# Altium PCB FMC_ADC_128CH_10B.PcbDoc (part 5 of 14) (continued)
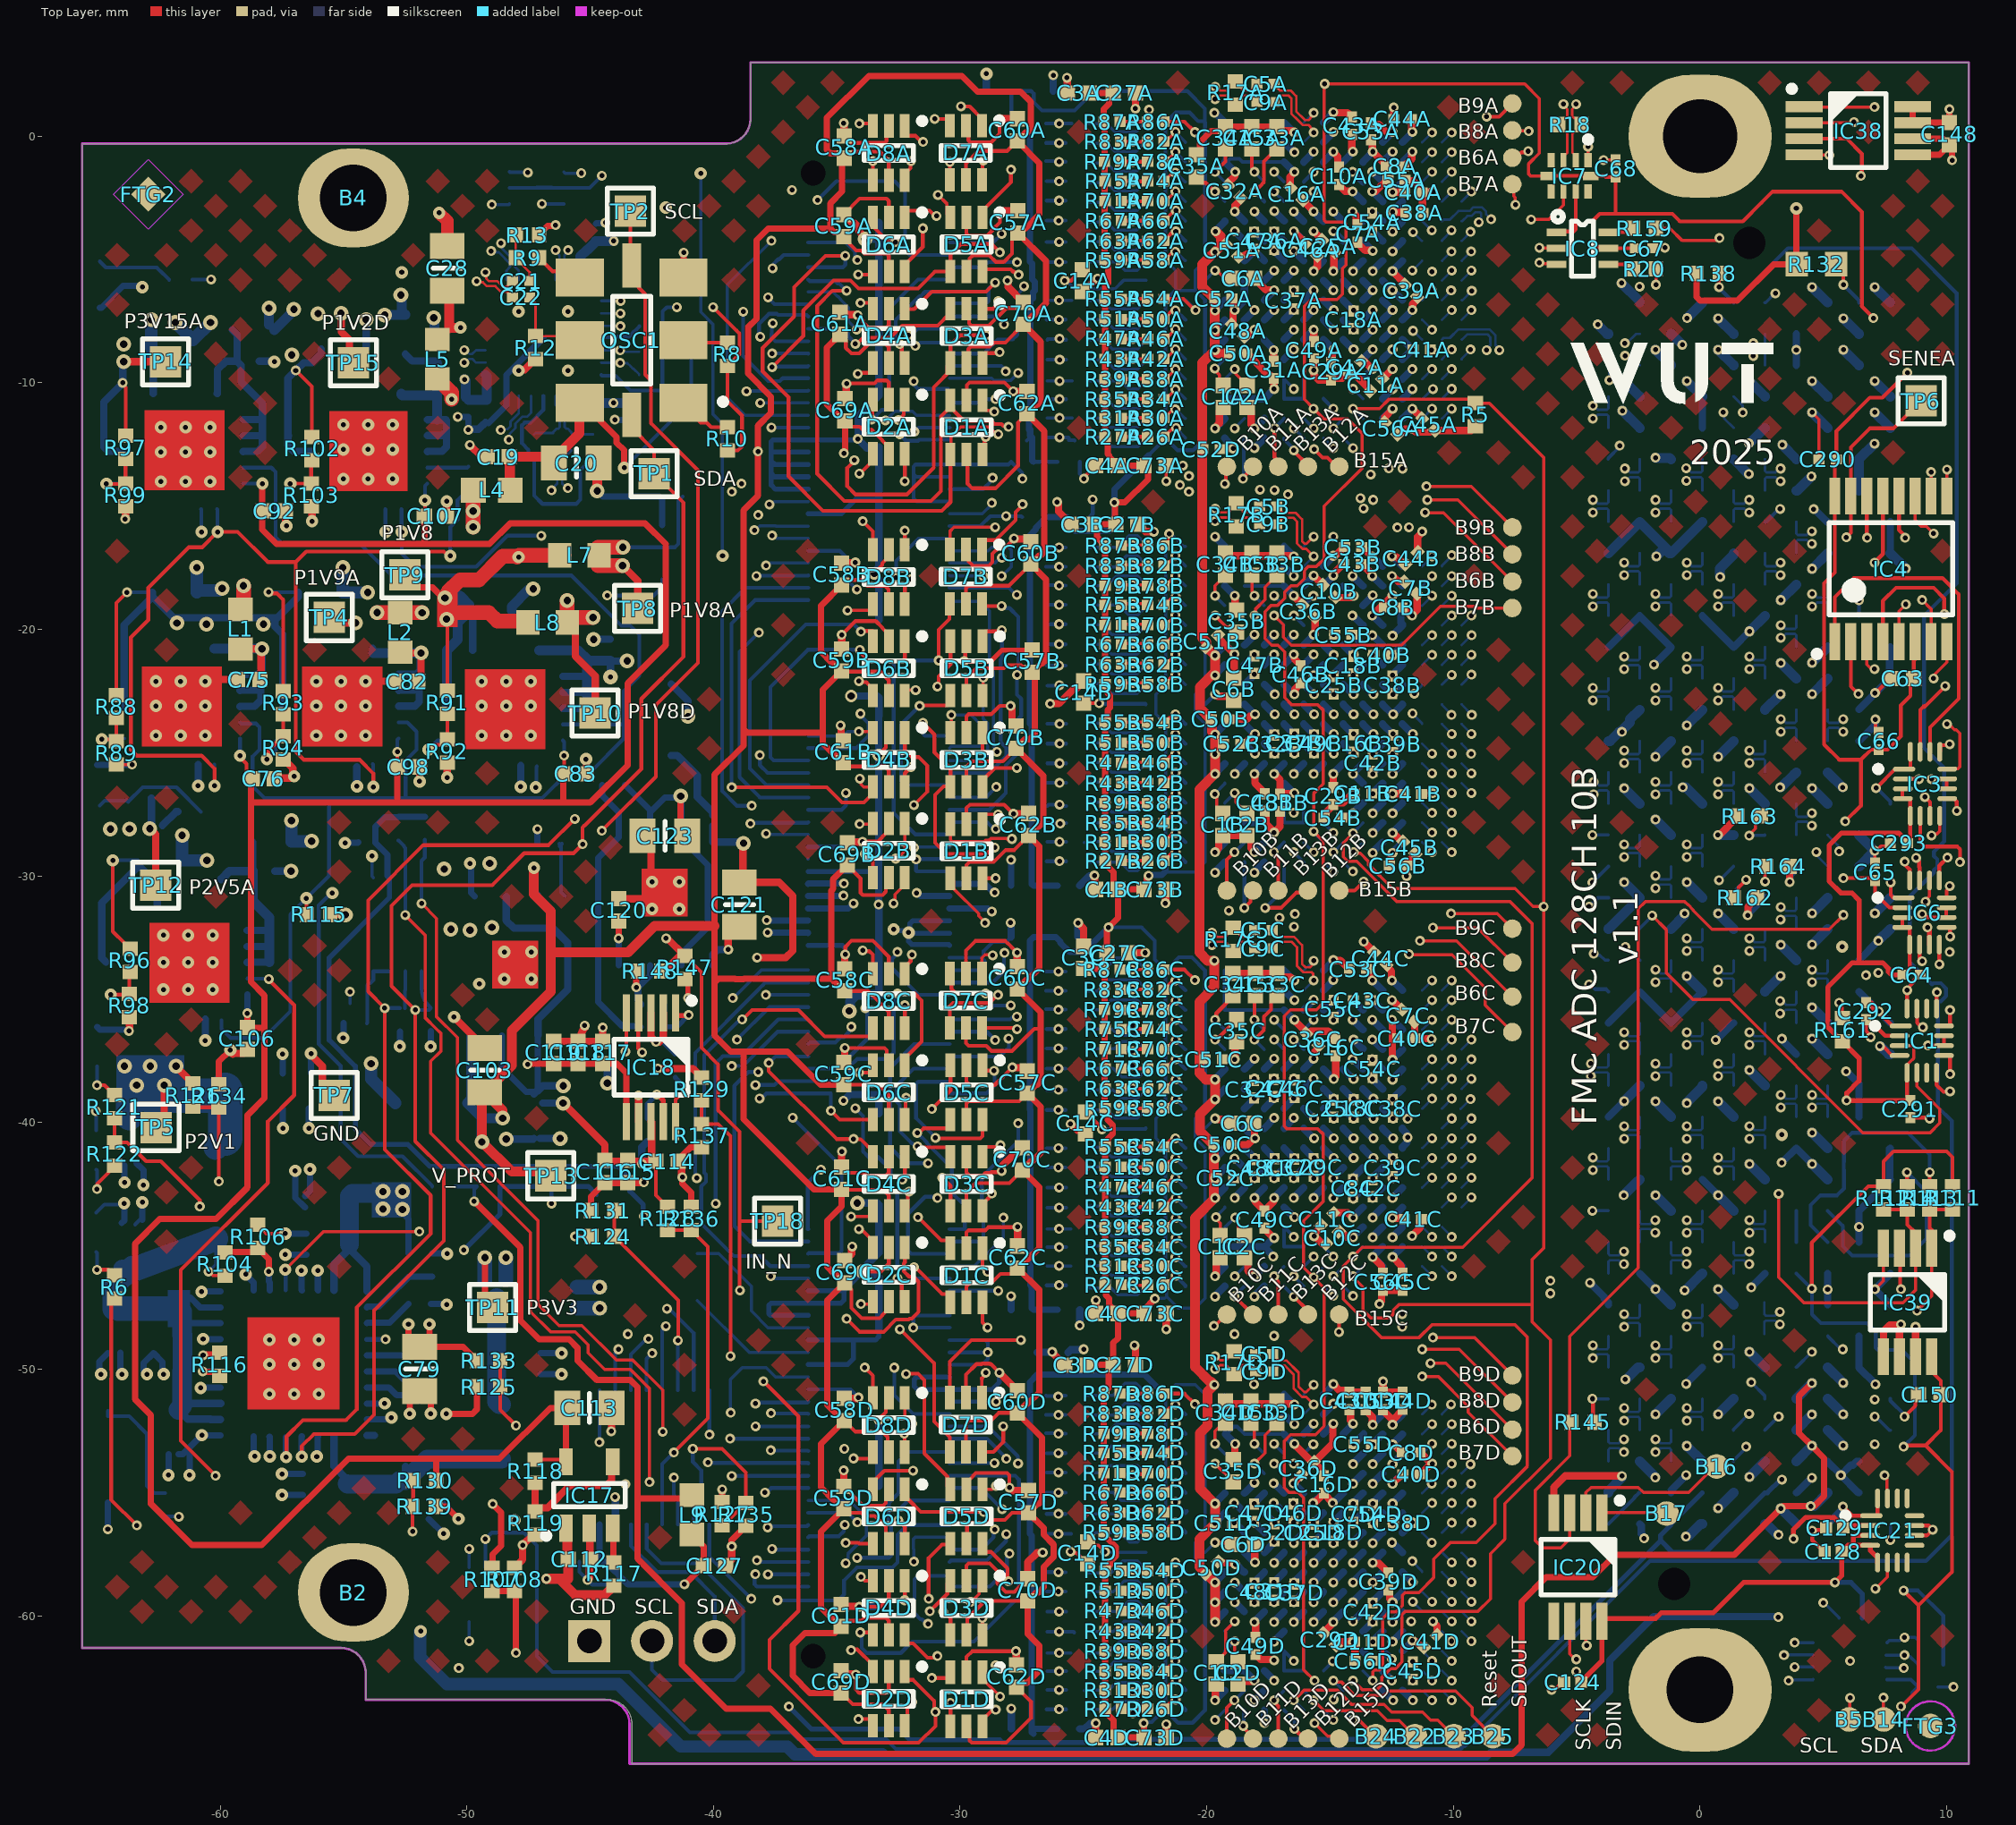
[diagram p0: Top Layer view]
## Nets (pads, with @x,y where several pads share a name; then routed paths per layer and width w, separated by ;. In a path a pad name is that pad's centre, name@x,y a point inside that pad or via, vN(x,y) a via of type N, cw(c..) or ccw(c..) an arc to the next point about the centre after c; other vN are vias at no path point) (continued)
  Bottom Layer w0.1: U1C.U8@-9.707,-39.444 v1(-9.307,-39.044) ; v1(3.27,-39.384) 3.324,-39.384 3.479,-39.229 3.762,-39.229 3.844,-39.229 3.903,-39.288 J6.d27@3.903,-39.764
DOUT8C_P: J6.d26 U1C.T8 | length 22.7
  Int3 (Sign) w0.091: v1(-10.067,-39.03) -10.027,-38.989 -9.747,-38.989 -9.332,-38.574 -8.917,-38.574 -8.411,-38.574 -8.156,-38.829 -8.156,-39.608 -8.036,-39.728 -7.796,-39.728 -7.676,-39.608 -7.676,-38.018 -7.422,-37.763 -6.991,-37.763 -6.736,-38.018 -6.736,-39.608 -6.616,-39.728 -6.376,-39.728 -6.256,-39.608 -6.256,-38.829 -6.002,-38.574 -5.799,-38.574 -5.668,-38.574 -3.206,-41.035 -2.612,-41.035 -1.138,-39.56 1.082,-39.56 1.628,-39.014 3.063,-39.014 3.132,-38.945 3.201,-38.945 3.27,-39.014 v1(3.27,-38.874)
  Bottom Layer w0.1: U1C.T8@-10.467,-39.43 v1(-10.067,-39.03) ; v1(3.27,-38.874) 3.324,-38.874 3.479,-39.029 3.679,-39.029 3.844,-39.029 3.903,-38.971 J6.d26@3.903,-38.494
DOUT8D_N: J6.k35 U1D.U8 | length 33.3
  Int6 (Sign) w0.091: v1(-9.267,-56.225) -9.267,-56.172 -9.101,-56.005 -8.502,-56.005 -7.808,-55.311 -7.196,-55.311 -7.014,-55.129 -7.014,-54.98 -7.014,-54.777 -7.269,-54.522 -8.577,-54.522 -8.697,-54.402 -8.697,-54.162 -8.577,-54.042 -6.645,-54.042 -6.391,-53.788 -6.391,-53.357 -6.645,-53.102 -9.152,-53.102 -9.272,-52.983 -9.272,-52.742 -9.152,-52.622 -5.226,-52.622 -4.971,-52.368 -4.971,-51.937 -5.226,-51.682 -9.152,-51.682 -9.272,-51.563 -9.272,-51.322 -9.152,-51.203 -4.969,-51.203 -4.714,-50.948 -4.714,-50.517 -4.969,-50.263 -6.894,-50.263 -7.014,-50.143 -7.014,-50.088 -7.014,-50.076 -6.919,-49.981 -6.342,-49.404 -4.557,-49.404 -4.417,-49.544 v1(-4.35,-49.544)
  Bottom Layer w0.1: U1D.U8@-9.667,-56.625 v1(-9.267,-56.225) ; v1(-4.35,-49.544) -4.296,-49.544 -4.141,-49.389 -3.858,-49.389 -3.776,-49.389 -3.717,-49.448 J6.k35@-3.717,-49.924
DOUT8D_P: J6.k34 U1D.T8 | length 34.2
  Int6 (Sign) w0.091: v1(-10.067,-56.225) -10.013,-56.171 -9.756,-56.171 -9.36,-55.775 -8.598,-55.775 -7.903,-55.081 -7.291,-55.081 -7.244,-55.034 -7.244,-54.98 -7.244,-54.872 -7.364,-54.752 -8.673,-54.752 -8.927,-54.498 -8.927,-54.067 -8.673,-53.812 -6.741,-53.812 -6.621,-53.692 -6.621,-53.452 -6.741,-53.332 -9.247,-53.332 -9.502,-53.078 -9.502,-52.647 -9.247,-52.392 -5.321,-52.392 -5.201,-52.273 -5.201,-52.032 -5.321,-51.912 -9.247,-51.912 -9.502,-51.658 -9.502,-51.227 -9.247,-50.972 -5.064,-50.972 -4.944,-50.853 -4.944,-50.612 -5.064,-50.493 -6.989,-50.493 -7.244,-50.238 -7.244,-50.088 -7.244,-49.981 -6.438,-49.174 -4.557,-49.174 -4.417,-49.034 v1(-4.35,-49.034)
  Bottom Layer w0.1: U1D.T8@-10.467,-56.625 v1(-10.067,-56.225) ; v1(-4.35,-49.034) -4.296,-49.034 -4.141,-49.189 -3.941,-49.189 -3.776,-49.189 -3.717,-49.131 J6.k34@-3.717,-48.654
DOUT9A_N: J6.k11 U1A.U7 | length 26.4
  Int6 (Sign) w0.091: v1(-9.31,-3.875) -9.374,-3.875 -9.579,-3.669 -9.579,-3.603 -8.074,-2.098 -7.056,-2.098 -5.923,-3.23 -5.923,-10.986 -3.644,-13.265 -3.644,-14.226 -3.644,-14.428 -3.34,-14.733 -2.788,-14.733 -2.618,-14.903 -2.618,-15.243 -2.788,-15.413 -3.34,-15.413 -3.644,-15.718 -3.644,-16.444 -3.644,-16.534 -3.661,-16.551 -5.134,-18.024 -5.134,-18.743 -4.953,-18.924 -4.557,-18.924 -4.417,-19.064 v1(-4.35,-19.064)
  Bottom Layer w0.1: U1A.U7@-9.667,-4.245 -9.31,-3.888 v1(-9.31,-3.875) ; v1(-4.35,-19.064) -4.296,-19.064 -4.141,-18.909 -3.858,-18.909 -3.776,-18.909 -3.717,-18.968 J6.k11@-3.717,-19.444
DOUT9A_P: J6.k10 U1A.T7 | length 26.8
  Int6 (Sign) w0.091: v1(-10.079,-3.813) -9.992,-3.813 -9.895,-3.716 -9.856,-3.716 -9.809,-3.669 -9.809,-3.508 -8.169,-1.868 -6.961,-1.868 -5.693,-3.135 -5.693,-10.89 -3.414,-13.169 -3.414,-14.226 -3.414,-14.333 -3.244,-14.503 -2.693,-14.503 -2.388,-14.808 -2.388,-15.338 -2.693,-15.643 -3.244,-15.643 -3.414,-15.813 -3.414,-16.444 -3.414,-16.551 -3.414,-16.629 -4.904,-18.119 -4.904,-18.647 -4.858,-18.694 -4.557,-18.694 -4.417,-18.554 v1(-4.35,-18.554)
  Bottom Layer w0.1: U1A.T7@-10.467,-4.245 -10.467,-4.223 -10.079,-3.835 v1(-10.079,-3.813) ; v1(-4.35,-18.554) -4.296,-18.554 -4.141,-18.709 -3.941,-18.709 -3.776,-18.709 -3.717,-18.651 J6.k10@-3.717,-18.174
DOUT9B_N: J6.h17 U1B.U7 | length 33.3
  Int3 (Sign) w0.091: v1(-9.267,-21.024) -9.267,-20.985 -9.094,-20.811 -8.716,-20.811 -8.559,-20.969 -8.526,-21.001 -8.28,-21.248 cw(c-8.403,-21.371) -8.28,-21.495 ; -8.28,-21.495 ccw(c-8.157,-21.619) -8.28,-21.742 ccw(c-8.157,-21.619) -8.033,-21.742 ; -8.033,-21.741 cw(c-7.909,-21.865) -7.786,-21.741 -7.618,-21.909 -7.586,-21.941 -7.345,-22.182 -5.331,-22.182 -5.275,-22.238 -5.275,-22.603 -5.334,-22.662 -7.24,-22.662 -7.469,-22.891 -7.469,-23.352 -7.219,-23.602 -4.413,-23.602 -4.289,-23.727 -4.289,-24.014 -4.358,-24.082 -7.228,-24.082 -7.483,-24.337 -7.483,-24.816 -7.276,-25.022 -4.441,-25.022 -4.316,-25.147 -4.316,-25.342 -4.466,-25.491 -7.148,-25.491 -7.148,-25.502 -7.403,-25.757 -7.403,-26.238 -7.406,-26.241 -7.406,-27.228 -7.224,-27.41 -6.618,-27.41 -6.41,-27.41 -6.088,-27.088 -6.088,-26.547 -5.9,-26.359 -5.526,-26.359 -5.339,-26.547 -5.339,-27.088 -5.017,-27.41 -4.379,-27.41 -3.231,-27.41 -2.366,-26.544 -2.017,-26.544 -1.877,-26.684 v1(-1.81,-26.684)
  Bottom Layer w0.1: U1B.U7@-9.667,-21.434 -9.667,-21.429 -9.267,-21.029 v1(-9.267,-21.024) ; v1(-1.81,-26.684) -1.756,-26.684 -1.601,-26.529 -1.318,-26.529 -1.236,-26.529 -1.177,-26.588 J6.h17@-1.177,-27.064
DOUT9B_P: J6.h16 U1B.T7 | length 33.8
  Int1 (Sign) w0.091: v1(-10.067,-21.034) v1@-10.052,-21.019
  Int3 (Sign) w0.091: v1(-10.067,-21.034) -10.013,-20.979 -9.753,-20.979 -9.355,-20.581 -9.205,-20.581 -9.194,-20.57 -8.616,-20.57 -7.245,-21.941 -5.231,-21.941 -5.034,-22.139 -5.034,-22.703 -5.234,-22.903 -7.141,-22.903 -7.228,-22.991 -7.228,-23.253 -7.119,-23.361 -4.314,-23.361 -4.048,-23.627 -4.048,-24.114 -4.258,-24.323 -7.128,-24.323 -7.242,-24.437 -7.242,-24.716 -7.176,-24.781 -4.341,-24.781 -4.075,-25.048 -4.075,-25.442 -4.366,-25.732 -7.038,-25.732 -7.045,-25.74 ; -7.053,-25.732 -7.173,-25.852 -7.173,-26.238 -7.17,-26.241 -7.17,-27.138 -7.129,-27.18 -6.618,-27.18 -6.505,-27.18 -6.318,-26.992 -6.318,-26.451 -5.996,-26.13 -5.431,-26.13 -5.109,-26.451 -5.109,-26.992 -4.921,-27.18 -4.379,-27.18 -3.327,-27.18 -2.462,-26.314 -2.017,-26.314 -1.877,-26.174 v1(-1.81,-26.174)
  Bottom Layer w0.1: U1B.T7@-10.467,-21.434 v1(-10.067,-21.034) ; v1(-1.81,-26.174) -1.756,-26.174 -1.601,-26.329 -1.401,-26.329 -1.236,-26.329 -1.177,-26.271 J6.h16@-1.177,-25.794
DOUT9C_N: J6.c27 U1C.U7 | length 22
  Int3 (Sign) w0.091: v1(-9.27,-38.224) -9.27,-38.182 -9.098,-38.01 -8.432,-38.01 -7.938,-37.516 -6.024,-37.516 -4.803,-38.736 -4.19,-38.736 -3.987,-38.736 -3.733,-38.482 -3.733,-37.544 -3.613,-37.424 -3.373,-37.424 -3.253,-37.544 -3.253,-38.482 -2.998,-38.736 -2.397,-38.736 -1.538,-38.736 -1.335,-38.736 -1.08,-38.482 -1.08,-37.544 -0.96,-37.424 -0.72,-37.424 -0.6,-37.544 -0.6,-38.482 -0.345,-38.736 0.323,-38.736 2.211,-38.736 3.04,-37.907 3.185,-37.907 3.927,-38.649 3.927,-39.038 4.133,-39.244 4.333,-39.244 4.473,-39.384 v1(4.54,-39.384)
  Int4 (Sign) w0.091: v1@4.473,-39.384 v1(4.54,-39.384)
  Bottom Layer w0.1: U1C.U7@-9.667,-38.63 -9.667,-38.626 -9.27,-38.228 v1(-9.27,-38.224) ; v1(4.54,-39.384) 4.594,-39.384 4.749,-39.229 5.032,-39.229 5.114,-39.229 5.173,-39.288 J6.c27@5.173,-39.764
DOUT9C_P: J6.c26 U1C.T7 | length 22.9
  Int3 (Sign) w0.091: v1(-10.067,-38.23) -10.012,-38.174 -9.753,-38.174 -9.359,-37.78 -8.527,-37.78 -8.033,-37.286 -5.928,-37.286 -4.708,-38.506 -4.19,-38.506 -4.083,-38.506 -3.963,-38.386 -3.963,-37.449 -3.708,-37.194 -3.277,-37.194 -3.023,-37.449 -3.023,-38.386 -2.903,-38.506 -2.397,-38.506 -1.538,-38.506 -1.43,-38.506 -1.31,-38.386 -1.31,-37.449 -1.055,-37.194 -0.625,-37.194 -0.37,-37.449 -0.37,-38.386 -0.25,-38.506 0.323,-38.506 2.116,-38.506 2.945,-37.677 3.28,-37.677 4.157,-38.554 4.157,-38.943 4.228,-39.014 4.333,-39.014 4.473,-38.874 v1(4.54,-38.874)
  Int4 (Sign) w0.091: v1@4.473,-38.874 v1(4.54,-38.874)
  Bottom Layer w0.1: U1C.T7@-10.467,-38.63 v1(-10.067,-38.23) ; v1(4.54,-38.874) 4.594,-38.874 4.749,-39.029 4.949,-39.029 5.114,-39.029 5.173,-38.971 J6.c26@5.173,-38.494
DOUT9D_N: J6.k32 U1D.U7 | length 31
  Int4 (Sign) w0.091: v1(-9.267,-55.425) -9.267,-55.392 -9.091,-55.216 -8.244,-55.216 -8.042,-55.216 -7.787,-54.961 -7.787,-54.33 -7.667,-54.21 -7.427,-54.21 -7.307,-54.33 -7.307,-57.626 -7.052,-57.881 -6.622,-57.881 -6.367,-57.626 -6.367,-53.633 -6.247,-53.513 -6.007,-53.513 -5.887,-53.633 -5.887,-57.092 -5.632,-57.346 -5.202,-57.346 -4.947,-57.092 -4.947,-55.335 -4.827,-55.216 -4.595,-55.216 -4.493,-55.216 -3.532,-54.254 -3.532,-45.687 -3.439,-45.594 -3.291,-45.594 -3.151,-45.734 v1(-3.084,-45.734)
  Bottom Layer w0.1: U1D.U7@-9.667,-55.825 v1(-9.267,-55.425) ; J6.k32@-3.717,-46.114 -3.717,-45.638 -3.658,-45.579 -3.493,-45.579 -3.293,-45.579 -3.138,-45.734 v1(-3.084,-45.734)
DOUT9D_P: J6.k31 U1D.T7 | length 31.9
  Int4 (Sign) w0.091: v1(-10.067,-55.425) -10.014,-55.373 -9.747,-55.373 -9.36,-54.986 -8.244,-54.986 -8.137,-54.986 -8.017,-54.866 -8.017,-54.235 -7.762,-53.98 -7.332,-53.98 -7.077,-54.235 -7.077,-57.531 -6.957,-57.651 -6.717,-57.651 -6.597,-57.531 -6.597,-53.537 -6.342,-53.283 -5.912,-53.283 -5.657,-53.537 -5.657,-56.996 -5.537,-57.116 -5.297,-57.116 -5.177,-56.996 -5.177,-55.24 -4.922,-54.986 -4.595,-54.986 -4.589,-54.986 -3.762,-54.159 -3.762,-45.591 -3.535,-45.364 -3.291,-45.364 -3.151,-45.224 v1(-3.084,-45.224)
  Bottom Layer w0.1: U1D.T7@-10.467,-55.825 v1(-10.067,-55.425) ; J6.k31@-3.717,-44.844 -3.717,-45.321 -3.658,-45.379 -3.576,-45.379 -3.293,-45.379 -3.138,-45.224 v1(-3.084,-45.224)
DOUT10A_N: J6.f11 U1A.R6 | length 25.8
  Int3 (Sign) w0.091: v1(-10.877,-3.815) -10.91,-3.815 -11.144,-3.581 -11.144,-3.337 -10.827,-3.019 -8.326,-3.019 -7.176,-4.169 -7.176,-5.761 -3.459,-9.478 -2.459,-9.478 -2.173,-9.764 -2.173,-12.057 -1.171,-13.059 -1.171,-15.058 -0.19,-16.039 -0.19,-18.412 0.323,-18.924 0.523,-18.924 0.663,-19.064 v1(0.73,-19.064)
  Bottom Layer w0.1: U1A.R6@-11.267,-3.445 -11.257,-3.445 -10.888,-3.815 v1(-10.877,-3.815) ; v1(0.73,-19.064) 0.784,-19.064 0.939,-18.909 1.222,-18.909 1.304,-18.909 1.363,-18.968 J6.f11@1.363,-19.444
DOUT10A_P: J6.f10 U1A.R7 | length 26.2
  Int3 (Sign) w0.091: v1(-11.642,-3.881) -11.642,-3.848 -11.374,-3.581 -11.374,-3.241 -10.922,-2.789 -8.231,-2.789 -6.946,-4.074 -6.946,-5.666 -3.364,-9.248 -2.364,-9.248 -1.943,-9.669 -1.943,-11.962 -0.941,-12.964 -0.941,-14.963 0.04,-15.944 0.04,-18.317 0.418,-18.694 0.523,-18.694 0.663,-18.554 v1(0.73,-18.554)
  Bottom Layer w0.1: v1(-11.642,-3.881) -11.637,-3.881 -11.272,-4.245 U1A.R7@-11.267,-4.245 ; v1(0.73,-18.554) 0.784,-18.554 0.939,-18.709 1.139,-18.709 1.304,-18.709 1.363,-18.651 J6.f10@1.363,-18.174
DOUT10B_N: J6.d18 U1B.R6 | length 33.9
  Int3 (Sign) w0.091: v1@-10.867,-20.32 v1(-10.867,-20.234) -11.152,-20.519 -11.717,-20.519 -11.908,-20.709 -11.908,-21.932 -11.59,-22.25 -11.435,-22.25 -11.265,-22.42 -8.402,-22.42 -8.06,-22.761 -8.06,-27.484 -7.581,-27.964 -2.561,-27.964 -2.074,-27.476 -1.944,-27.347 -1.523,-27.347 -1.136,-27.734 -1.136,-28.11 -0.881,-28.364 -0.451,-28.364 -0.196,-28.11 -0.196,-27.245 -0.076,-27.125 0.164,-27.125 0.284,-27.245 0.284,-27.73 0.539,-27.984 0.969,-27.984 1.224,-27.73 1.224,-27.198 1.344,-27.078 1.584,-27.078 1.704,-27.198 1.704,-27.754 1.959,-28.009 2.389,-28.009 2.644,-27.754 2.644,-27.102 2.764,-26.982 3.004,-26.982 3.124,-27.102 3.124,-28.946 3.338,-29.161 3.784,-29.161 4.04,-28.905 4.04,-28.891 4.064,-28.867 4.064,-27.934 4.184,-27.814 4.304,-27.814 4.329,-27.814 4.469,-27.954 v1(4.536,-27.954)
  Bottom Layer w0.1: U1B.R6@-11.267,-20.634 v1(-10.867,-20.234) ; J6.d18@3.903,-28.334 3.903,-27.858 3.962,-27.799 4.127,-27.799 4.327,-27.799 4.482,-27.954 v1(4.536,-27.954)
DOUT10B_P: J6.d17 U1B.R7 | length 33
  Int3 (Sign) w0.091: v1(-10.867,-21.034) -11.141,-20.76 -11.618,-20.76 -11.667,-20.809 -11.667,-21.832 -11.49,-22.009 -11.335,-22.009 -11.165,-22.179 -8.302,-22.179 -8.299,-22.182 ; -8.306,-22.19 -8.299,-22.182 ; v1(4.536,-27.444) 4.469,-27.444 4.34,-27.573 4.205,-27.573 4.084,-27.573 3.799,-27.859 3.799,-28.805 3.684,-28.92 3.465,-28.92 3.365,-28.82 3.365,-27.002 3.104,-26.741 2.664,-26.741 2.403,-27.002 2.403,-27.655 2.289,-27.768 2.058,-27.768 1.945,-27.655 1.945,-27.099 1.684,-26.837 1.244,-26.837 0.983,-27.099 0.983,-27.63 0.869,-27.743 0.638,-27.743 0.525,-27.63 0.525,-27.146 0.264,-26.884 -0.176,-26.884 -0.437,-27.146 -0.437,-28.01 -0.551,-28.123 -0.782,-28.123 -0.895,-28.01 -0.895,-27.634 -1.423,-27.106 -2.044,-27.106 -2.315,-27.377 -2.661,-27.723 -7.481,-27.723 -7.819,-27.385 -7.819,-22.662 -8.299,-22.182
  Bottom Layer w0.1: U1B.R7@-11.267,-21.434 v1(-10.867,-21.034) ; J6.d17@3.903,-27.064 3.903,-27.541 3.962,-27.599 4.044,-27.599 4.327,-27.599 4.482,-27.444 v1(4.536,-27.444)
DOUT10C_N: J6.g25 U1C.R6 | length 24.4
  Int1 (Sign) w0.091: v1(-10.867,-37.43) -11.152,-37.715 -11.323,-37.715 -11.505,-37.896 -11.505,-42.456 -10.351,-43.61 -8.869,-43.61 -7.612,-42.352 -7.612,-38.67 -4.869,-35.928 -2.725,-35.928 -1.948,-36.704 -0.747,-36.704 -0.607,-36.844 v1(-0.54,-36.844)
  Int3 (Sign) w0.091: v1@-0.607,-36.844 v1(-0.54,-36.844)
  Bottom Layer w0.1: U1C.R6@-11.267,-37.83 v1(-10.867,-37.43) ; v1(-0.54,-36.844) -0.486,-36.844 -0.331,-36.689 -0.048,-36.689 0.034,-36.689 0.093,-36.748 J6.g25@0.093,-37.224
DOUT10C_P: J6.g24 U1C.R7 | length 23.6
  Int1 (Sign) w0.091: v1(-10.867,-38.23) -11.152,-37.945 -11.228,-37.945 -11.275,-37.992 -11.275,-42.361 -10.256,-43.38 -8.964,-43.38 -7.842,-42.257 -7.842,-38.575 -4.964,-35.698 -2.63,-35.698 -1.853,-36.474 -0.747,-36.474 -0.607,-36.334 v1(-0.54,-36.334)
  Int3 (Sign) w0.091: v1@-0.607,-36.334 v1(-0.54,-36.334)
  Bottom Layer w0.1: U1C.R7@-11.267,-38.63 v1(-10.867,-38.23) ; v1(-0.54,-36.334) -0.486,-36.334 -0.331,-36.489 -0.131,-36.489 0.034,-36.489 0.093,-36.431 J6.g24@0.093,-35.954
DOUT10D_N: J6.e22 U1D.R6 | length 33.7
  Int4 (Sign) w0.091: v1(-10.877,-54.636) -10.877,-54.656 -11.137,-54.916 -11.353,-54.916 -11.4,-54.869 -11.4,-51.459 -10.153,-50.212 -10.153,-47.418 -8.204,-45.469 -8.204,-37.253 -4.817,-33.866 -2.975,-33.866 -2.404,-33.295 -1.413,-33.295 -1.094,-33.614 -0.091,-33.614 0.629,-32.894 1.793,-32.894 1.933,-33.034 v1(2,-33.034)
  Bottom Layer w0.1: U1D.R6@-11.267,-55.025 v1(-10.877,-54.636) ; v1(2,-33.034) 2.054,-33.034 2.209,-32.879 2.492,-32.879 2.574,-32.879 2.633,-32.938 J6.e22@2.633,-33.414
DOUT10D_P: J6.e21 U1D.R7 | length 34.5
  Int4 (Sign) w0.091: v1(-10.867,-55.425) -10.867,-55.415 -11.137,-55.146 -11.448,-55.146 -11.63,-54.964 -11.63,-51.363 -10.383,-50.117 -10.383,-47.323 -8.434,-45.374 -8.434,-37.158 -4.912,-33.636 -3.07,-33.636 -2.499,-33.065 -1.318,-33.065 -0.998,-33.384 -0.186,-33.384 0.534,-32.664 1.793,-32.664 1.933,-32.524 v1(2,-32.524)
  Bottom Layer w0.1: U1D.R7@-11.267,-55.825 v1(-10.867,-55.425) ; v1(2,-32.524) 2.054,-32.524 2.209,-32.679 2.409,-32.679 2.574,-32.679 2.633,-32.621 J6.e21@2.633,-32.144
DOUT11A_N: J6.k8 U1A.U6 | length 26.3
  Int6 (Sign) w0.091: v1(-8.967,-3.486) -8.967,-3.56 -8.834,-3.693 -8.834,-3.784 -8.652,-3.965 -7.515,-3.965 -7.092,-4.388 -7.092,-5.72 -6.644,-6.168 -6.644,-13.103 -6.644,-13.306 -6.389,-13.561 -5.542,-13.561 -5.422,-13.681 -5.422,-13.921 -5.542,-14.041 -6.625,-14.041 -6.88,-14.296 -6.88,-14.726 -6.625,-14.981 -5.733,-14.981 -5.613,-15.101 -5.613,-15.341 -5.733,-15.461 -6.389,-15.461 -6.644,-15.716 -6.644,-15.992 -6.644,-17.252 -6.462,-17.434 -5.477,-17.434 -4.763,-16.719 -4.763,-15.173 -4.705,-15.114 -4.557,-15.114 -4.417,-15.254 v1(-4.35,-15.254)
  Bottom Layer w0.1: U1A.U6@-9.667,-3.445 -9.65,-3.445 -9.435,-3.23 -9.26,-3.23 -9.107,-3.078 -8.931,-3.078 -8.872,-3.136 -8.872,-3.31 -8.967,-3.405 v1(-8.967,-3.486) ; v1(-4.35,-15.254) -4.296,-15.254 -4.141,-15.099 -3.858,-15.099 -3.776,-15.099 -3.717,-15.158 J6.k8@-3.717,-15.634
DOUT11A_P: J6.k7 U1A.T6 | length 27.2
  Int6 (Sign) w0.091: v1(-8.471,-3.369) -8.471,-3.443 -8.604,-3.576 -8.604,-3.688 -8.557,-3.735 -7.42,-3.735 -6.862,-4.293 -6.862,-5.624 -6.414,-6.073 -6.414,-13.103 -6.414,-13.211 -6.294,-13.331 -5.446,-13.331 -5.192,-13.586 -5.192,-14.016 -5.446,-14.271 -6.53,-14.271 -6.65,-14.391 -6.65,-14.631 -6.53,-14.751 -5.638,-14.751 -5.383,-15.006 -5.383,-15.436 -5.638,-15.691 -6.294,-15.691 -6.414,-15.811 -6.414,-15.992 -6.414,-17.157 -6.367,-17.204 -5.573,-17.204 -4.993,-16.624 -4.993,-15.077 -4.8,-14.884 -4.557,-14.884 -4.417,-14.744 v1(-4.35,-14.744)
  Bottom Layer w0.1: U1A.T6@-10.467,-3.445 -10.4,-3.378 -10.145,-3.378 -9.797,-3.03 -9.343,-3.03 -9.19,-2.878 -8.848,-2.878 -8.672,-3.053 -8.672,-3.16 -8.471,-3.362 v1(-8.471,-3.369) ; v1(-4.35,-14.744) -4.296,-14.744 -4.141,-14.899 -3.941,-14.899 -3.776,-14.899 -3.717,-14.841 J6.k7@-3.717,-14.364
DOUT11B_N: J6.g16 U1B.U6 | length 33.4
  Int3 (Sign) w0.091: v1@-9.203,-20.293 v1(-9.265,-20.231) -9.265,-20.183 -9.124,-20.042 -9.109,-20.042 -9.091,-20.025 -9.022,-20.025 -8.676,-19.679 -8.676,-19.07 -8.969,-18.777 -9.317,-18.429 -9.317,-16.755 -9.739,-16.334 -10.598,-16.334 -10.671,-16.261 -10.671,-15.616 -10.397,-15.342 -10.11,-15.342 -8.698,-16.754 -8.698,-17.005 -7.359,-18.345 -7.15,-18.553 -6.836,-18.867 -6.835,-19.029 -8.012,-20.228 -8.082,-20.298 -8.082,-20.498 -8.081,-20.499 -8.081,-20.569 -8.081,-20.652 -7.756,-20.977 -7.568,-20.977 -7.568,-20.976 -7.497,-20.975 -7.399,-20.975 -7.258,-20.834 -7.258,-20.833 -5.754,-19.301 -5.594,-19.3 -5.429,-19.462 -5.427,-19.622 -6.675,-20.893 -6.745,-20.963 -6.745,-21.163 -6.744,-21.164 -6.744,-21.234 -6.744,-21.332 -6.602,-21.474 -6.601,-21.474 -6.501,-21.572 -6.431,-21.642 -6.231,-21.642 -6.231,-21.641 -6.16,-21.64 -6.062,-21.64 -5.921,-21.499 -5.921,-21.498 -5.151,-20.714 -4.991,-20.712 -4.924,-20.779 -4.849,-20.854 -4.749,-20.954 -4.749,-21.032 -4.749,-21.227 -4.749,-21.232 -3.711,-22.27 -3.711,-23.889 -3.741,-23.919 -3.741,-24.396 -3.711,-24.426 -3.711,-25.771 -3.44,-26.042 -3.436,-26.042 -3.241,-26.042 -2.35,-26.042 -2.064,-25.755 -1.512,-25.755 -1.042,-25.285 -0.736,-25.285 -0.607,-25.414 v1(-0.54,-25.414)
  Bottom Layer w0.1: U1B.U6@-9.667,-20.634 v1(-9.265,-20.231) ; v1(-0.54,-25.414) -0.486,-25.414 -0.331,-25.259 -0.048,-25.259 0.034,-25.259 0.093,-25.318 J6.g16@0.093,-25.794
DOUT11B_P: J6.g15 U1B.T6 | length 34.2
  Int3 (Sign) w0.091: v1(-10.065,-20.231) -10.004,-20.171 -9.745,-20.171 -9.375,-19.801 -9.208,-19.801 -9.191,-19.784 -9.122,-19.784 -8.917,-19.579 -8.917,-19.17 -9.069,-19.018 -9.558,-18.529 -9.558,-16.855 -9.839,-16.575 -10.698,-16.575 -10.912,-16.361 -10.912,-15.516 -10.497,-15.101 -10.01,-15.101 -8.457,-16.654 -8.457,-16.906 -7.118,-18.245 -7.041,-18.322 -6.909,-18.453 -6.596,-18.767 -6.593,-19.079 -6.593,-19.127 -7.841,-20.398 -7.84,-20.552 -7.656,-20.736 -7.499,-20.734 -5.889,-19.095 -5.856,-19.061 -5.543,-19.058 -5.496,-19.058 -5.223,-19.327 -5.189,-19.36 -5.186,-19.673 -5.186,-19.72 -6.504,-21.063 -6.503,-21.233 -6.331,-21.401 -6.162,-21.399 -5.286,-20.508 -5.252,-20.474 -4.94,-20.471 -4.901,-20.471 -4.864,-20.499 -4.824,-20.538 -4.749,-20.613 -4.508,-20.854 -4.508,-21.132 -3.47,-22.171 -3.47,-23.989 -3.5,-24.018 -3.5,-24.296 -3.47,-24.326 -3.47,-25.671 -3.34,-25.801 -2.45,-25.801 -2.163,-25.514 -1.612,-25.514 -1.142,-25.044 -0.747,-25.044 -0.607,-24.904 v1(-0.54,-24.904)
  Bottom Layer w0.1: U1B.T6@-10.467,-20.634 v1(-10.065,-20.231) ; v1(-0.54,-24.904) -0.486,-24.904 -0.331,-25.059 -0.131,-25.059 0.034,-25.059 0.093,-25.001 J6.g15@0.093,-24.524
DOUT11C_N: J6.h26 U1C.U6 | length 24.9
  Int4 (Sign) w0.091: v1(-9.267,-37.43) -9.267,-37.376 -9.101,-37.21 -9.022,-37.21 -3.994,-32.181 -0.692,-32.181 -0.685,-32.174 2.145,-32.174 2.372,-32.401 2.372,-33.287 -0.096,-35.754 -1.588,-35.754 -2.543,-36.709 -2.543,-37.793 -2.362,-37.974 -2.017,-37.974 -1.877,-38.114 v1(-1.81,-38.114)
  Bottom Layer w0.1: U1C.U6@-9.667,-37.83 v1(-9.267,-37.43) ; v1(-1.81,-38.114) -1.756,-38.114 -1.601,-37.959 -1.318,-37.959 -1.236,-37.959 -1.177,-38.018 J6.h26@-1.177,-38.494
DOUT11C_P: J6.h25 U1C.T6 | length 25.7
  Int4 (Sign) w0.091: v1(-10.067,-37.43) -10.013,-37.375 -9.756,-37.375 -9.36,-36.98 -9.117,-36.98 -4.089,-31.951 -0.787,-31.951 -0.78,-31.944 2.241,-31.944 2.602,-32.306 2.602,-33.382 0,-35.984 -1.493,-35.984 -2.313,-36.804 -2.313,-37.697 -2.267,-37.744 -2.017,-37.744 -1.877,-37.604 v1(-1.81,-37.604)
  Bottom Layer w0.1: U1C.T6@-10.467,-37.83 v1(-10.067,-37.43) ; v1(-1.81,-37.604) -1.756,-37.604 -1.601,-37.759 -1.401,-37.759 -1.236,-37.759 -1.177,-37.701 J6.h25@-1.177,-37.224
DOUT11D_N: J6.j28 U1D.U6 | length 33.7
  Int4 (Sign) w0.091: v1(-9.277,-54.636) -9.277,-54.614 -9.095,-54.432 -8.67,-54.432 -7.083,-52.844 -5.499,-52.844 -4.911,-52.257 -4.911,-51.993 -4.911,-51.791 -5.166,-51.536 -7.159,-51.536 -7.279,-51.416 -7.279,-51.176 -7.159,-51.056 -4.908,-51.056 -4.653,-50.801 -4.653,-50.371 -4.908,-50.116 -7.159,-50.116 -7.279,-49.996 -7.279,-49.756 -7.159,-49.636 -4.954,-49.636 -4.7,-49.381 -4.7,-48.951 -4.954,-48.696 -7.159,-48.696 -7.279,-48.576 -7.279,-48.336 -7.159,-48.216 -5.166,-48.216 -4.911,-47.961 -4.911,-46.591 -4.911,-45.78 -3.627,-44.496 -3.627,-40.706 -3.435,-40.514 -3.287,-40.514 -3.147,-40.654 v1(-3.08,-40.654)
  Bottom Layer w0.1: U1D.U6@-9.667,-55.025 v1(-9.277,-54.636) ; v1(-3.08,-40.654) -3.026,-40.654 -2.871,-40.499 -2.588,-40.499 -2.506,-40.499 -2.447,-40.558 J6.j28@-2.447,-41.034
DOUT11D_P: J6.j27 U1D.T6 | length 34.6
  Int4 (Sign) w0.091: v1(-10.067,-54.625) -10.018,-54.576 -9.747,-54.576 -9.373,-54.202 -8.765,-54.202 -7.178,-52.614 -5.594,-52.614 -5.141,-52.162 -5.141,-51.993 -5.141,-51.886 -5.261,-51.766 -7.254,-51.766 -7.509,-51.511 -7.509,-51.081 -7.254,-50.826 -5.003,-50.826 -4.883,-50.706 -4.883,-50.466 -5.003,-50.346 -7.254,-50.346 -7.509,-50.091 -7.509,-49.661 -7.254,-49.406 -5.05,-49.406 -4.93,-49.286 -4.93,-49.046 -5.05,-48.926 -7.254,-48.926 -7.509,-48.671 -7.509,-48.241 -7.254,-47.986 -5.261,-47.986 -5.141,-47.866 -5.141,-46.591 -5.141,-45.685 -3.857,-44.401 -3.857,-40.611 -3.53,-40.284 -3.287,-40.284 -3.147,-40.144 v1(-3.08,-40.144)
  Bottom Layer w0.1: U1D.T6@-10.467,-55.025 v1(-10.067,-54.625) ; v1(-3.08,-40.144) -3.026,-40.144 -2.871,-40.299 -2.671,-40.299 -2.506,-40.299 -2.447,-40.241 J6.j27@-2.447,-39.764
DOUT12A_N: J6.e13 U1A.U5 | length 28
  Int3 (Sign) w0.091: v1(-9.267,-2.245) -9.354,-2.245 -9.494,-2.105 -9.505,-2.105 -9.552,-2.058 -9.552,-1.871 -9.505,-1.824 -7.912,-1.824 -3.767,-5.968 -3.767,-6.191 -1.335,-8.624 -1.335,-11.844 0.46,-13.639 0.46,-16.777 1.325,-17.642 1.325,-21.197 1.593,-21.464 1.793,-21.464 1.933,-21.604 v1(2,-21.604)
  Bottom Layer w0.1: U1A.U5@-9.667,-2.645 v1(-9.267,-2.245) ; v1(2,-21.604) 2.054,-21.604 2.209,-21.449 2.492,-21.449 2.574,-21.449 2.633,-21.508 J6.e13@2.633,-21.984
DOUT12A_P: J6.e12 U1A.T5 | length 28.4
  Int3 (Sign) w0.091: v1(-10.067,-2.245) -9.981,-2.245 -9.84,-2.105 -9.829,-2.105 -9.782,-2.058 -9.782,-1.775 -9.601,-1.594 -7.816,-1.594 -3.537,-5.873 -3.537,-6.096 -1.105,-8.528 -1.105,-11.749 0.69,-13.544 0.69,-16.682 1.555,-17.547 1.555,-21.102 1.688,-21.234 1.793,-21.234 1.933,-21.094 v1(2,-21.094)
  Bottom Layer w0.1: U1A.T5@-10.467,-2.645 v1(-10.067,-2.245) ; v1(2,-21.094) 2.054,-21.094 2.209,-21.249 2.409,-21.249 2.574,-21.249 2.633,-21.191 J6.e12@2.633,-20.714
DOUT12B_N: J6.g10 U1B.U5 | length 35.3
  Int3 (Sign) w0.091: v1@-9.328,-19.373 v1(-9.267,-19.434)
  Int4 (Sign) w0.091: v1(-9.267,-19.434) -9.214,-19.38 -8.994,-19.38 -8.927,-19.448 -8.658,-19.448 ; -8.657,-19.448 -7.15,-17.941 -7.084,-17.941 -7.042,-17.983 -6.974,-18.05 -6.614,-18.05 -4.951,-16.387 -4.781,-16.387 -4.611,-16.556 -4.611,-16.726 -8.785,-20.9 -8.785,-21.26 -8.48,-21.564 -8.12,-21.564 -5.402,-18.846 -5.232,-18.846 -5.062,-19.016 -5.062,-19.185 -8.482,-22.605 -8.482,-22.965 -8.177,-23.27 -7.817,-23.27 -4.772,-20.224 -4.265,-20.224 -3.975,-20.224 -1.415,-17.665 -0.747,-17.665 -0.617,-17.794 v1(-0.54,-17.794)
  Bottom Layer w0.1: U1B.U5@-9.667,-19.834 v1(-9.267,-19.434) ; v1(-0.54,-17.794) -0.486,-17.794 -0.331,-17.639 -0.048,-17.639 0.034,-17.639 0.093,-17.698 J6.g10@0.093,-18.174
DOUT12B_P: J6.g9 U1B.T5 | length 36.2
  Int3 (Sign) w0.091: v1(-10.067,-19.434) v1@-10.006,-19.373
  Int4 (Sign) w0.091: v1(-10.067,-19.434) -9.762,-19.434 -9.412,-19.084 -8.965,-19.084 -8.831,-19.218 -8.753,-19.218 -7.245,-17.711 -6.989,-17.711 -6.955,-17.744 -6.879,-17.82 -6.709,-17.82 -5.046,-16.157 -4.686,-16.157 -4.381,-16.461 -4.381,-16.821 -8.555,-20.995 -8.555,-21.165 -8.385,-21.334 -8.215,-21.334 -5.497,-18.616 -5.137,-18.616 -4.832,-18.92 -4.832,-19.281 -8.252,-22.7 -8.252,-22.87 -8.082,-23.04 -7.912,-23.04 -4.867,-19.994 -4.07,-19.994 -2.203,-18.127 -1.51,-17.435 -0.747,-17.435 -0.596,-17.284 v1(-0.54,-17.284)
  Bottom Layer w0.1: U1B.T5@-10.467,-19.834 v1(-10.067,-19.434) ; v1(-0.54,-17.284) -0.486,-17.284 -0.331,-17.439 -0.131,-17.439 0.034,-17.439 0.093,-17.381 J6.g9@0.093,-16.904
DOUT12C_N: J6.d24 U1C.U5 | length 21.8
  Int3 (Sign) w0.091: v1(-9.267,-36.63) -9.474,-36.423 -9.474,-36.357 -9.427,-36.31 -8.97,-36.31 -8.768,-36.31 -8.513,-36.055 -8.513,-35.517 -8.393,-35.397 -8.153,-35.397 -8.033,-35.517 -8.033,-36.632 -7.778,-36.886 -7.348,-36.886 -7.093,-36.632 -7.093,-35.517 -6.973,-35.397 -6.733,-35.397 -6.613,-35.517 -6.613,-36.632 -6.358,-36.886 -5.928,-36.886 -5.673,-36.632 -5.673,-35.517 -5.553,-35.397 -5.313,-35.397 -5.193,-35.517 -5.193,-36.055 -4.938,-36.31 -4.429,-36.31 -4.285,-36.31 -3.93,-35.954 1.556,-35.954 2.076,-35.434 3.038,-35.434 3.178,-35.574 v1(3.245,-35.574)
  Bottom Layer w0.1: U1C.U5@-9.667,-37.03 v1(-9.267,-36.63) ; v1(3.245,-35.574) 3.324,-35.574 3.479,-35.419 3.762,-35.419 3.844,-35.419 3.903,-35.478 J6.d24@3.903,-35.954
DOUT12C_P: J6.d23 U1C.T5 | length 22.2
  Int3 (Sign) w0.091: v1(-10.067,-36.63) -9.704,-36.267 -9.704,-36.261 -9.522,-36.08 -8.97,-36.08 -8.863,-36.08 -8.743,-35.96 -8.743,-35.422 -8.488,-35.167 -8.058,-35.167 -7.803,-35.422 -7.803,-36.536 -7.683,-36.656 -7.443,-36.656 -7.323,-36.536 -7.323,-35.422 -7.068,-35.167 -6.638,-35.167 -6.383,-35.422 -6.383,-36.536 -6.263,-36.656 -6.023,-36.656 -5.903,-36.536 -5.903,-35.422 -5.648,-35.167 -5.218,-35.167 -4.963,-35.422 -4.963,-35.96 -4.843,-36.08 -4.429,-36.08 -4.38,-36.08 -4.025,-35.724 1.461,-35.724 1.981,-35.204 3.038,-35.204 3.178,-35.064 v1(3.245,-35.064)
  Bottom Layer w0.1: U1C.T5@-10.467,-37.03 v1(-10.067,-36.63) ; v1(3.245,-35.064) 3.324,-35.064 3.479,-35.219 3.844,-35.219 3.903,-35.161 J6.d23@3.903,-34.684
DOUT12D_N: J6.f26 U1D.U5 | length 32.7
  Int4 (Sign) w0.091: v1@-9.359,-53.852 v1(-9.307,-53.852) -9.307,-53.838 -9.572,-53.574 -9.572,-53.352 -8.535,-52.315 -8.535,-48.315 -6,-45.78 -6,-45.18 -6,-44.734 -5.88,-44.614 -4.947,-44.614 -4.692,-44.359 -4.692,-43.929 -4.947,-43.674 -6.113,-43.674 -6.233,-43.554 -6.233,-43.314 -6.113,-43.194 -4.665,-43.194 -4.41,-42.939 -4.41,-42.509 -4.665,-42.254 -6.113,-42.254 -6.233,-42.134 -6.233,-41.894 -6.113,-41.774 -4.954,-41.774 -4.7,-41.519 -4.7,-41.089 -4.954,-40.834 -5.88,-40.834 -6,-40.714 -6,-40.606 -6,-40.337 -4.44,-38.777 -2.453,-38.777 -2.442,-38.787 -0.438,-38.787 0.375,-37.974 0.523,-37.974 0.663,-38.114 v1(0.73,-38.114)
  Bottom Layer w0.1: U1D.U5@-9.667,-54.225 -9.667,-54.218 -9.307,-53.859 v1(-9.307,-53.852) ; v1(0.73,-38.114) 0.784,-38.114 0.939,-37.959 1.222,-37.959 1.304,-37.959 1.363,-38.018 J6.f26@1.363,-38.494